# KiCad board manila_ice.kicad_pcb (continued)
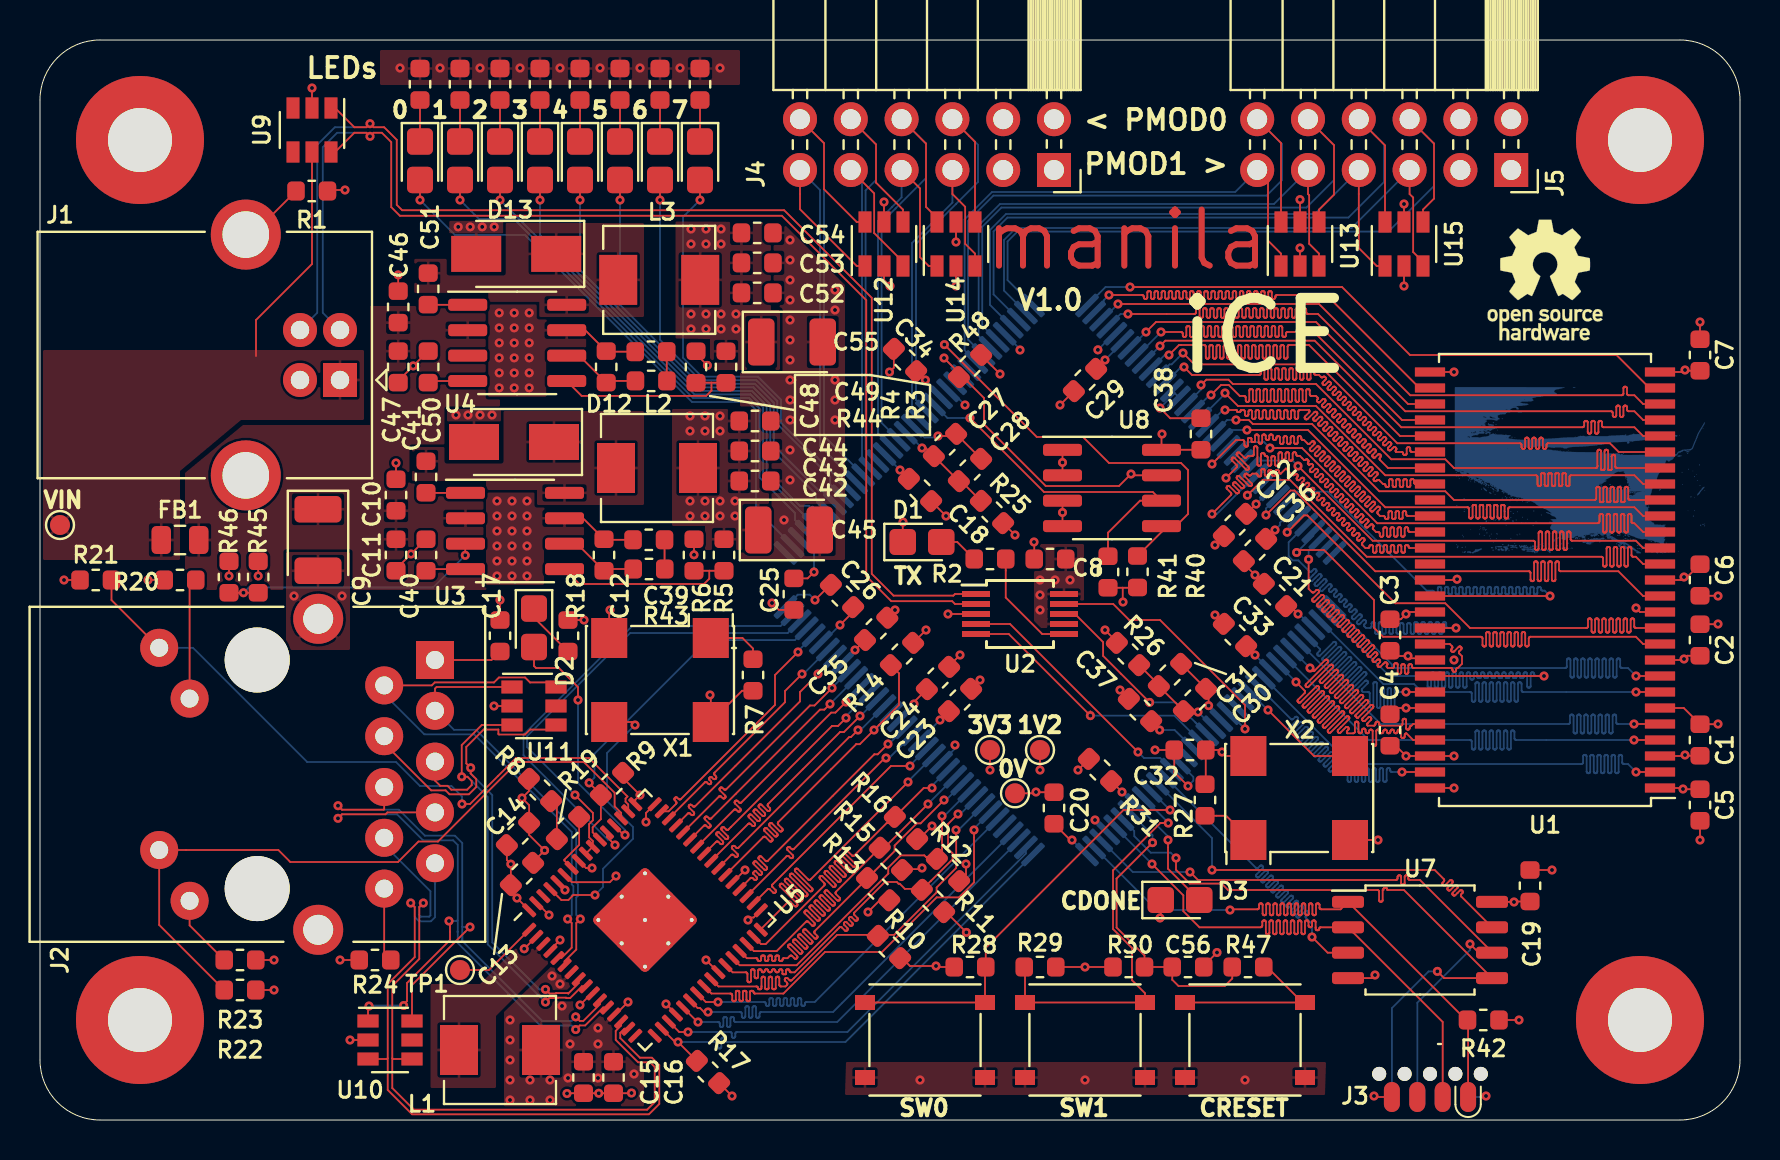
[diagram p0: board, top side]
## Routing (per net, layer and track width the routed paths; a pad name or vN(x,y) marks a point on that pad's centre or on a via; arc(x,y) is an arc through that point) (continued)
/SDRAM/DATA10: length 31
  Top w0.089: U1.45 70.49,23.8 70.59,23.69 70.61,23.68 70.62,23.66 70.62,23.64 70.62,23.62 70.62,23.6 70.61,23.58 70.59,23.57 70.58,23.56 70.57,23.54 70.56,23.52 70.56,23.5 70.56,23.48 70.56,23.46 70.57,23.45 70.58,23.43 70.6,23.42 70.62,23.41 70.64,23.41 70.66,23.41 70.67,23.41 70.69,23.42 70.71,23.43 70.93,23.65 70.94,23.66 70.96,23.67 70.98,23.68 71,23.68 71.02,23.67 71.04,23.66 71.05,23.65 71.07,23.64 71.08,23.62 71.08,23.6 71.08,23.58 71.08,23.56 71.07,23.54 71.05,23.53 70.97,23.44 70.96,23.43 70.95,23.41 70.95,23.39 70.95,23.37 70.95,23.35 70.96,23.33 70.97,23.32 71.1,23.19 71.1,22.81 70.89,22.6 70.87,22.6 70.85,22.59 70.84,22.58 70.82,22.57 70.81,22.55 70.8,22.53 70.8,22.51 70.8,22.5 70.8,22.48 70.79,22.46 70.78,22.44 70.77,22.43 70.75,22.42 70.73,22.41 70.71,22.41 70.69,22.41 70.67,22.42 70.66,22.43 70.64,22.44 70.63,22.46 70.63,22.48 70.62,22.5 70.62,22.51 70.62,22.53 70.62,22.55 70.61,22.57 70.59,22.58 70.57,22.59 70.56,22.6 70.54,22.6 68.69,22.6 68.67,22.6 68.65,22.61 68.63,22.62 68.62,22.64 68.61,22.65 68.6,22.67 68.6,22.69 68.6,22.71 68.59,22.73 68.59,22.75 68.58,22.76 68.56,22.78 68.55,22.79 68.53,22.79 68.51,22.8 68.49,22.79 68.47,22.79 68.45,22.78 68.44,22.76 68.43,22.75 68.42,22.73 68.42,22.71 68.42,22.4 68.42,22.38 68.41,22.36 68.4,22.34 68.39,22.33 68.37,22.32 68.35,22.31 68.33,22.31 68.31,22.31 68.29,22.32 68.27,22.33 68.26,22.34 68.25,22.36 68.24,22.38 68.24,22.4 68.24,22.71 68.24,22.73 68.23,22.75 68.22,22.76 68.21,22.78 68.19,22.79 68.17,22.79 68.15,22.8 68.13,22.79 68.11,22.79 68.1,22.78 68.08,22.76 68.07,22.75 68.07,22.73 68.06,22.71 68.06,22.4 68.06,22.38 68.05,22.36 68.04,22.34 68.03,22.33 68.01,22.32 67.99,22.31 67.97,22.31 67.95,22.31 67.94,22.32 67.92,22.33 67.9,22.34 67.89,22.36 67.89,22.38 67.89,22.4 67.89,22.76 67.88,22.78 67.88,22.8 67.87,22.81 67.85,22.83 67.84,22.84 67.82,22.84 67.8,22.85 67.78,22.84 67.76,22.84 67.74,22.83 67.73,22.81 67.72,22.8 67.71,22.78 67.71,22.76 67.71,22.69 67.71,22.67 67.7,22.65 67.69,22.64 67.67,22.62 67.66,22.61 67.64,22.6 67.62,22.6 67.39,22.6 67.35,22.64 67.34,22.65 67.34,22.66 67.33,22.68 67.33,22.7 67.34,22.71 67.34,22.73 67.36,22.75 67.37,22.77 67.37,22.78 67.37,22.8 67.37,22.81 67.36,22.83 67.35,22.84 67.33,22.87 67.32,22.88 67.3,22.88 67.29,22.89 67.27,22.89 67.25,22.88 67.24,22.88 67.23,22.87 67.18,22.81 67.17,22.82 67.03,22.67 67.01,22.66 66.99,22.65 66.98,22.64 66.96,22.64 66.94,22.65 66.92,22.66 66.9,22.67 66.89,22.69 66.88,22.7 66.88,22.72 66.88,22.74 66.88,22.76 66.89,22.78 66.9,22.8 66.99,22.88 67,22.89 67.01,22.91 67.01,22.93 67.01,22.95 67.01,22.97 67,22.99 66.99,23 66.97,23.02 66.95,23.03 66.93,23.03 66.91,23.03 66.89,23.03 66.88,23.02 66.86,23 66.78,22.92 66.76,22.91 66.74,22.9 66.72,22.9 66.7,22.9 66.68,22.9 66.67,22.91 66.65,22.92 66.64,22.94 66.63,22.95 66.63,22.97 66.63,22.99 66.63,23.01 66.64,23.03 66.65,23.05 66.85,23.24 66.86,23.26 66.87,23.27 66.87,23.29 66.87,23.3 66.87,23.32 66.86,23.33 66.85,23.35 66.82,23.37 66.81,23.38 66.8,23.39 66.78,23.39 66.77,23.39 66.75,23.39 66.73,23.38 66.72,23.37 66.53,23.17 66.51,23.16 66.49,23.15 66.47,23.15 66.45,23.15 66.43,23.15 66.41,23.16 66.4,23.17 66.39,23.19 66.38,23.21 66.37,23.23 66.37,23.25 66.38,23.27 66.39,23.28 66.4,23.3 66.69,23.59 66.7,23.61 66.71,23.62 66.72,23.64 66.72,23.66 66.71,23.68 66.7,23.7 66.69,23.72 66.68,23.73 66.66,23.74 66.64,23.74 66.62,23.74 66.6,23.74 66.58,23.73 66.57,23.72 66.27,23.42 66.26,23.41 66.24,23.4 66.22,23.4 66.2,23.4 66.18,23.4 66.16,23.41 66.15,23.42 66.14,23.44 66.13,23.46 66.12,23.48 66.12,23.5 66.13,23.52 66.14,23.53 66.15,23.55 66.44,23.84 66.45,23.86 66.46,23.88 66.47,23.89 66.47,23.91 66.46,23.93 66.45,23.95 66.44,23.97 66.42,23.98 66.41,23.99 66.39,23.99 66.37,23.99 66.35,23.99 66.33,23.98 66.31,23.97 66.02,23.68 66.01,23.66 65.99,23.65 65.97,23.65 65.95,23.65 65.93,23.65 65.91,23.66 65.9,23.68 65.88,23.69 65.88,23.71 65.87,23.73 65.87,23.75 65.88,23.77 65.88,23.79 65.9,23.8 66.19,24.09 66.2,24.11 66.21,24.13 66.21,24.15 66.21,24.17 66.21,24.19 66.2,24.2 66.19,24.22 66.17,24.23 66.15,24.24 66.14,24.24 66.12,24.24 66.1,24.24 66.08,24.23 66.06,24.22 65.77,23.93 65.76,23.91 65.74,23.91 65.72,23.9 65.7,23.9 65.68,23.91 65.66,23.91 65.64,23.93 65.63,23.94 65.62,23.96 65.62,23.98 65.62,24 65.62,24.02 65.63,24.04 65.64,24.05 65.94,24.34 65.95,24.36 65.96,24.38 65.96,24.4 65.96,24.42 65.96,24.44 65.95,24.45 65.94,24.47 65.92,24.48 65.9,24.49 65.88,24.5 65.86,24.5 65.84,24.49 65.83,24.48 65.81,24.47 65.52,24.18 65.5,24.17 65.49,24.16 65.47,24.15 65.45,24.15 65.43,24.16 65.41,24.17 65.39,24.18 65.38,24.19 65.37,24.21 65.37,24.23 65.37,24.25 65.37,24.27 65.38,24.29 65.39,24.3 65.69,24.6 65.7,24.61 65.71,24.63 65.71,24.65 65.71,24.67 65.71,24.69 65.7,24.71 65.69,24.72 65.67,24.73 65.65,24.74 65.63,24.75 65.61,24.75 65.59,24.74 65.58,24.73 65.56,24.72 65.27,24.43 65.25,24.42 65.23,24.41 65.21,24.4 65.19,24.4 65.18,24.41 65.16,24.42 65.14,24.43 65.13,24.45 65.12,24.46 65.12,24.48 65.12,24.5 65.12,24.52 65.13,24.54 65.14,24.56 65.43,24.85 65.45,24.86 65.45,24.88 65.46,24.9 65.46,24.92 65.45,24.94 65.45,24.96 65.43,24.97 65.42,24.99 65.4,24.99 65.38,25 65.36,25 65.34,24.99 65.32,24.99 65.31,24.97 65.02,24.68 65,24.67 64.98,24.66 64.96,24.66 64.94,24.66 64.92,24.66 64.91,24.67 64.89,24.68 64.88,24.7 64.87,24.71 64.87,24.73 64.87,24.75 64.87,24.77 64.88,24.79 64.89,24.81 65.18,25.1 65.19,25.11 65.2,25.13 65.21,25.15 65.21,25.17 65.2,25.19 65.19,25.21 65.18,25.22 65.17,25.24 65.15,25.25 65.13,25.25 65.11,25.25 65.09,25.25 65.07,25.24 65.06,25.22 64.76,24.93 64.75,24.92 64.73,24.91 64.71,24.91 64.69,24.91 64.67,24.91 64.65,24.92 64.64,24.93 64.63,24.95 64.62,24.97 64.61,24.99 64.61,25.01 64.62,25.03 64.63,25.04 64.64,25.06 64.93,25.35 64.94,25.37 64.95,25.38 64.96,25.4 64.96,25.42 64.95,25.44 64.94,25.46 64.93,25.48 64.92,25.49 64.9,25.5 64.88,25.5 64.86,25.5 64.84,25.5 64.82,25.49 64.81,25.48 64.51,25.18 64.5,25.17 64.48,25.16 64.46,25.16 64.44,25.16 64.42,25.16 64.4,25.17 64.39,25.18 64.38,25.2 64.37,25.22 64.36,25.24 64.36,25.26 64.37,25.28 64.38,25.29 64.39,25.31 64.68,25.6 64.69,25.62 64.7,25.64 64.7,25.65 64.7,25.67 64.7,25.69 64.69,25.71 64.68,25.73 64.66,25.74 64.65,25.75 64.63,25.75 64.61,25.75 64.59,25.75 64.57,25.74 64.55,25.73 64.26,25.44 64.25,25.42 64.23,25.41 64.21,25.41 64.19,25.41 64.17,25.41 64.15,25.42 64.14,25.44 64.12,25.45 64.12,25.47 64.11,25.49 64.11,25.51 64.12,25.53 64.12,25.55 64.14,25.56 64.43,25.85 64.44,25.87 64.45,25.89 64.45,25.91 64.45,25.93 64.45,25.95 64.44,25.96 64.43,25.98 64.41,25.99 64.39,26 64.38,26 64.36,26 64.34,26 64.32,25.99 64.3,25.98 64.01,25.69 63.99,25.67 63.98,25.67 63.96,25.66 63.94,25.66 63.92,25.67 63.9,25.67 63.88,25.69 63.87,25.7 63.86,25.72 63.86,25.74 63.86,25.76 63.86,25.78 63.87,25.8 63.88,25.81 64.18,26.1 64.19,26.12 64.2,26.14 64.2,26.16 64.2,26.18 64.2,26.2 64.19,26.21 64.18,26.23 64.16,26.24 64.14,26.25 64.12,26.26 64.1,26.26 64.08,26.25 64.07,26.24 64.05,26.23 63.76,25.94 63.74,25.93 63.73,25.92 63.71,25.91 63.69,25.91 63.67,25.92 63.65,25.93 63.63,25.94 63.62,25.95 63.61,25.97 63.61,25.99 63.61,26.01 63.61,26.03 63.62,26.05 63.63,26.06 63.93,26.36 63.94,26.37 63.95,26.39 63.95,26.41 63.95,26.43 63.95,26.45 63.94,26.47 63.93,26.48 63.91,26.49 63.89,26.5 63.87,26.51 63.85,26.51 63.83,26.5 63.81,26.49 63.8,26.48 63.72,26.4 63.7,26.39 63.68,26.38 63.66,26.37 63.64,26.37 63.62,26.38 63.61,26.39 63.59,26.4 63.43,26.56 v1(63.43,28.03)
  Bottom w0.089: v1(63.43,28.03) 63.43,28.47 U6.34
/SDRAM/DATA11: length 31.2
  Top w0.089: U1.47 v1(75.2,22.2)
  Bottom w0.089: v1(75.2,22.2) 74.8,22.2 74.78,22.2 74.76,22.21 74.74,22.22 74.73,22.23 74.72,22.25 74.71,22.27 74.71,22.29 74.71,22.3 74.71,22.32 74.7,22.34 74.69,22.35 74.68,22.37 74.66,22.38 74.64,22.38 74.62,22.39 74.6,22.38 74.58,22.38 74.57,22.37 74.55,22.35 74.54,22.34 74.54,22.32 74.53,22.3 74.53,21.7 74.53,21.68 74.52,21.66 74.51,21.65 74.5,21.63 74.48,21.62 74.46,21.62 74.44,21.61 74.42,21.62 74.41,21.62 74.39,21.63 74.37,21.65 74.36,21.66 74.36,21.68 74.36,21.7 74.36,22.3 74.35,22.32 74.35,22.34 74.34,22.35 74.32,22.37 74.31,22.38 74.29,22.38 74.27,22.39 74.25,22.38 74.23,22.38 74.21,22.37 74.2,22.35 74.19,22.34 74.18,22.32 74.18,22.3 74.18,22.15 74.18,22.14 74.17,22.13 74.17,22.12 74.16,22.11 74.15,22.1 74.14,22.1 74.13,22.1 74.05,22.1 74.04,22.1 74.03,22.1 74.02,22.11 74.01,22.12 74,22.13 74,22.14 74,22.15 74,22.3 74,22.32 73.99,22.34 73.98,22.35 73.97,22.37 73.95,22.38 73.93,22.38 73.91,22.39 73.89,22.38 73.87,22.38 73.86,22.37 73.84,22.35 73.83,22.34 73.82,22.32 73.82,22.3 73.82,22.15 73.82,22.14 73.82,22.13 73.81,22.12 73.8,22.11 73.79,22.1 73.78,22.1 73.77,22.1 73.69,22.1 73.68,22.1 73.67,22.1 73.66,22.11 73.66,22.12 73.65,22.13 73.65,22.14 73.64,22.15 73.64,22.3 73.64,22.32 73.64,22.34 73.62,22.35 73.61,22.37 73.59,22.38 73.58,22.38 73.56,22.39 73.54,22.38 73.52,22.38 73.5,22.37 73.49,22.35 73.48,22.34 73.47,22.32 73.47,22.3 73.47,22.15 73.47,22.14 73.46,22.13 73.46,22.12 73.45,22.11 73.44,22.1 73.43,22.1 73.42,22.1 73.34,22.1 73.33,22.1 73.32,22.1 73.31,22.11 73.3,22.12 73.29,22.13 73.29,22.14 73.29,22.15 73.29,22.3 73.29,22.32 73.28,22.34 73.27,22.35 73.26,22.37 73.24,22.38 73.22,22.38 73.2,22.39 73.18,22.38 73.16,22.38 73.14,22.37 73.13,22.35 73.12,22.34 73.11,22.32 73.11,22.3 73.11,22.15 73.11,22.14 73.11,22.13 73.1,22.12 73.09,22.11 73.08,22.1 73.07,22.1 73.06,22.1 72.98,22.1 72.97,22.1 72.96,22.1 72.95,22.11 72.94,22.12 72.94,22.13 72.93,22.14 72.93,22.15 72.93,22.3 72.93,22.32 72.92,22.34 72.91,22.35 72.9,22.37 72.88,22.38 72.86,22.38 72.84,22.39 72.82,22.38 72.81,22.38 72.79,22.37 72.77,22.35 72.76,22.34 72.76,22.32 72.76,22.3 72.76,22.15 72.75,22.14 72.75,22.13 72.74,22.12 72.74,22.11 72.73,22.1 72.72,22.1 72.71,22.1 72.63,22.1 72.62,22.1 72.61,22.1 72.6,22.11 72.59,22.12 72.58,22.13 72.58,22.14 72.58,22.15 72.58,22.3 72.58,22.32 72.57,22.34 72.56,22.35 72.54,22.37 72.53,22.38 72.51,22.38 72.49,22.39 72.47,22.38 72.45,22.38 72.43,22.37 72.42,22.35 72.41,22.34 72.4,22.32 72.4,22.3 72.4,22.15 72.4,22.14 72.39,22.13 72.39,22.12 72.38,22.11 72.37,22.1 72.36,22.1 72.35,22.1 72.27,22.1 72.26,22.1 72.25,22.1 72.24,22.11 72.23,22.12 72.23,22.13 72.22,22.14 72.22,22.15 72.22,22.3 72.22,22.32 72.21,22.34 72.2,22.35 72.19,22.37 72.17,22.38 72.15,22.38 72.13,22.39 72.11,22.38 72.09,22.38 72.08,22.37 72.06,22.35 72.05,22.34 72.05,22.32 72.04,22.3 72.04,22.15 72.04,22.14 72.04,22.13 72.03,22.12 72.03,22.11 72.02,22.1 72.01,22.1 71.99,22.1 71.92,22.1 71.91,22.1 71.89,22.1 71.89,22.11 71.88,22.12 71.87,22.13 71.87,22.14 71.87,22.15 71.87,22.3 71.86,22.32 71.86,22.34 71.85,22.35 71.83,22.37 71.82,22.38 71.8,22.38 71.78,22.39 71.76,22.38 71.74,22.38 71.72,22.37 71.71,22.35 71.7,22.34 71.69,22.32 71.69,22.3 71.69,22.1 71.69,22.08 71.68,22.06 71.67,22.05 71.66,22.03 71.64,22.02 71.62,22.02 71.6,22.01 71.58,22.02 71.56,22.02 71.54,22.03 71.53,22.05 71.52,22.06 71.51,22.08 71.51,22.1 71.51,22.3 71.51,22.32 71.5,22.34 71.49,22.35 71.48,22.37 71.46,22.38 71.44,22.38 71.42,22.39 71.4,22.38 71.38,22.38 71.37,22.37 71.35,22.35 71.34,22.34 71.34,22.32 71.33,22.3 71.33,21.7 71.33,21.68 71.32,21.66 71.31,21.65 71.3,21.63 71.28,21.62 71.26,21.62 71.24,21.61 71.22,21.62 71.21,21.62 71.19,21.63 71.17,21.65 71.16,21.66 71.16,21.68 71.16,21.7 71.16,22.3 71.15,22.32 71.15,22.34 71.14,22.35 71.12,22.37 71.1,22.38 71.09,22.38 71.07,22.39 71.05,22.38 71.03,22.38 71.01,22.37 71,22.35 70.99,22.34 70.98,22.32 70.98,22.3 70.98,21.7 70.98,21.68 70.97,21.66 70.96,21.65 70.94,21.63 70.93,21.62 70.91,21.62 70.89,21.61 70.87,21.62 70.85,21.62 70.83,21.63 70.82,21.65 70.81,21.66 70.8,21.68 70.8,21.7 70.8,22.3 70.8,22.32 70.79,22.34 70.78,22.35 70.77,22.37 70.75,22.38 70.73,22.38 70.71,22.39 70.69,22.38 70.67,22.38 70.66,22.37 70.64,22.35 70.63,22.34 70.62,22.32 70.62,22.3 70.62,21.7 70.62,21.68 70.61,21.66 70.6,21.65 70.59,21.63 70.57,21.62 70.55,21.62 70.53,21.61 70.51,21.62 70.49,21.62 70.48,21.63 70.46,21.65 70.45,21.66 70.45,21.68 70.44,21.7 70.44,22.3 70.44,22.32 70.44,22.34 70.42,22.35 70.41,22.37 70.39,22.38 70.37,22.38 70.36,22.39 70.34,22.38 70.32,22.38 70.3,22.37 70.29,22.35 70.27,22.34 70.27,22.32 70.27,22.3 70.27,21.7 70.26,21.68 70.26,21.66 70.25,21.65 70.23,21.63 70.22,21.62 70.2,21.62 70.18,21.61 70.16,21.62 70.14,21.62 70.12,21.63 70.11,21.65 70.1,21.66 70.09,21.68 70.09,21.7 70.09,22.3 70.09,22.32 70.08,22.34 70.07,22.35 70.05,22.37 70.04,22.38 70.02,22.38 70,22.39 69.98,22.38 69.96,22.38 69.94,22.37 69.93,22.35 69.92,22.34 69.91,22.32 69.91,22.3 69.91,21.7 69.91,21.68 69.9,21.66 69.89,21.65 69.88,21.63 69.86,21.62 69.84,21.62 69.82,21.61 69.8,21.62 69.78,21.62 69.77,21.63 69.75,21.65 69.74,21.66 69.73,21.68 69.73,21.7 69.73,22.3 69.73,22.32 69.72,22.34 69.71,22.35 69.7,22.37 69.68,22.38 69.66,22.38 69.64,22.39 69.62,22.38 69.61,22.38 69.59,22.37 69.57,22.35 69.56,22.34 69.56,22.32 69.55,22.3 69.55,21.7 69.55,21.68 69.55,21.66 69.54,21.65 69.52,21.63 69.5,21.62 69.49,21.62 69.47,21.61 69.45,21.62 69.43,21.62 69.41,21.63 69.4,21.65 69.39,21.66 69.38,21.68 69.38,21.7 69.38,22.11 69.37,22.13 69.37,22.15 69.36,22.17 69.34,22.18 69.33,22.19 69.31,22.2 69.29,22.2 67.47,22.2 U6.38
/SDRAM/DATA12: length 31
  Top w0.089: U1.48 v1(68.3,21.4)
  Bottom w0.089: v1(68.3,21.4) 68,21.4 67.98,21.4 67.96,21.41 67.94,21.42 67.93,21.43 67.92,21.45 67.91,21.47 67.91,21.49 67.91,21.51 67.91,21.53 67.9,21.55 67.89,21.57 67.88,21.58 67.86,21.59 67.84,21.6 67.82,21.6 67.8,21.6 67.78,21.59 67.77,21.58 67.75,21.57 67.74,21.55 67.74,21.53 67.73,21.51 67.73,20.69 67.73,20.67 67.72,20.65 67.71,20.63 67.7,20.62 67.68,20.61 67.66,20.6 67.64,20.6 67.62,20.6 67.61,20.61 67.59,20.62 67.57,20.63 67.56,20.65 67.56,20.67 67.56,20.69 67.56,21.51 67.55,21.53 67.55,21.55 67.54,21.57 67.52,21.58 67.51,21.59 67.49,21.6 67.47,21.6 67.45,21.6 67.43,21.59 67.41,21.58 67.4,21.57 67.39,21.55 67.38,21.53 67.38,21.51 67.38,20.69 67.38,20.67 67.37,20.65 67.36,20.63 67.34,20.62 67.33,20.61 67.31,20.6 67.29,20.6 67.27,20.6 67.25,20.61 67.23,20.62 67.22,20.63 67.21,20.65 67.2,20.67 67.2,20.69 67.2,21.51 67.2,21.53 67.19,21.55 67.18,21.57 67.17,21.58 67.15,21.59 67.13,21.6 67.11,21.6 67.09,21.6 67.07,21.59 67.06,21.58 67.04,21.57 67.03,21.55 67.02,21.53 67.02,21.51 67.02,20.69 67.02,20.67 67.01,20.65 67,20.63 66.99,20.62 66.97,20.61 66.95,20.6 66.93,20.6 66.91,20.6 66.89,20.61 66.88,20.62 66.86,20.63 66.85,20.65 66.85,20.67 66.84,20.69 66.84,21.81 66.84,21.83 66.84,21.85 66.82,21.87 66.81,21.88 66.79,21.89 66.78,21.9 66.76,21.9 66.74,21.9 66.72,21.89 66.7,21.88 66.69,21.87 66.68,21.85 66.67,21.83 66.67,21.81 66.67,20.69 66.66,20.67 66.66,20.65 66.65,20.63 66.63,20.62 66.62,20.61 66.6,20.6 66.58,20.6 66.56,20.6 66.54,20.61 66.52,20.62 66.51,20.63 66.5,20.65 66.49,20.67 66.49,20.69 66.49,21.31 66.49,21.33 66.48,21.35 66.47,21.37 66.46,21.38 66.44,21.39 66.42,21.4 66.4,21.4 66.15,21.4 66.11,21.44 66.1,21.45 66.09,21.47 66.09,21.49 66.09,21.51 66.09,21.53 66.1,21.55 66.11,21.56 66.37,21.82 66.39,21.84 66.39,21.86 66.4,21.88 66.4,21.9 66.39,21.92 66.39,21.93 66.37,21.95 66.36,21.96 66.34,21.97 66.32,21.97 66.3,21.97 66.28,21.97 66.26,21.96 66.25,21.95 65.77,21.48 65.76,21.46 65.74,21.45 65.72,21.45 65.7,21.45 65.68,21.45 65.66,21.46 65.65,21.48 65.64,21.49 65.63,21.51 65.62,21.53 65.62,21.55 65.63,21.57 65.64,21.59 65.65,21.6 66.3,22.25 66.31,22.27 66.32,22.29 66.32,22.3 66.32,22.32 66.32,22.34 66.31,22.36 66.3,22.38 66.28,22.39 66.26,22.4 66.25,22.4 66.23,22.4 66.21,22.4 66.19,22.39 66.17,22.38 65.52,21.73 65.51,21.71 65.49,21.71 65.47,21.7 65.45,21.7 65.43,21.71 65.41,21.71 65.4,21.73 65.38,21.74 65.38,21.76 65.37,21.78 65.37,21.8 65.38,21.82 65.38,21.84 65.4,21.85 66.05,22.5 66.06,22.52 66.07,22.54 66.07,22.56 66.07,22.58 66.07,22.6 66.06,22.61 66.05,22.63 66.03,22.64 66.01,22.65 65.99,22.65 65.97,22.65 65.95,22.65 65.94,22.64 65.92,22.63 65.27,21.98 65.26,21.97 65.24,21.96 65.22,21.95 65.2,21.95 65.18,21.96 65.16,21.97 65.15,21.98 65.13,21.99 65.12,22.01 65.12,22.03 65.12,22.05 65.12,22.07 65.13,22.09 65.15,22.1 65.8,22.75 65.81,22.77 65.82,22.79 65.82,22.81 65.82,22.83 65.82,22.85 65.81,22.86 65.8,22.88 65.78,22.89 65.76,22.9 65.74,22.91 65.72,22.91 65.7,22.9 65.69,22.89 65.67,22.88 65.02,22.23 65,22.22 64.99,22.21 64.97,22.2 64.95,22.2 64.93,22.21 64.91,22.22 64.89,22.23 64.88,22.25 64.87,22.26 64.87,22.28 64.87,22.3 64.87,22.32 64.88,22.34 64.89,22.36 65.54,23.01 65.56,23.02 65.56,23.04 65.57,23.06 65.57,23.08 65.56,23.1 65.56,23.12 65.54,23.13 65.53,23.14 65.51,23.15 65.49,23.16 65.47,23.16 65.45,23.15 65.43,23.14 65.42,23.13 64.77,22.48 64.75,22.47 64.73,22.46 64.71,22.46 64.7,22.46 64.68,22.46 64.66,22.47 64.64,22.48 64.63,22.5 64.62,22.51 64.62,22.53 64.62,22.55 64.62,22.57 64.63,22.59 64.64,22.61 65.29,23.26 65.3,23.27 65.31,23.29 65.32,23.31 65.32,23.33 65.31,23.35 65.3,23.37 65.29,23.38 65.28,23.4 65.26,23.4 65.24,23.41 65.22,23.41 65.2,23.4 65.18,23.4 65.17,23.38 64.52,22.73 64.5,22.72 64.48,22.71 64.46,22.71 64.44,22.71 64.42,22.71 64.41,22.72 64.39,22.73 64.38,22.75 64.37,22.77 64.37,22.79 64.37,22.81 64.37,22.83 64.38,22.84 64.39,22.86 65.04,23.51 65.05,23.52 65.06,23.54 65.07,23.56 65.07,23.58 65.06,23.6 65.05,23.62 65.04,23.63 65.03,23.65 65.01,23.66 64.99,23.66 64.97,23.66 64.95,23.66 64.93,23.65 64.92,23.63 64.26,22.98 64.25,22.97 64.23,22.96 64.21,22.96 64.19,22.96 64.17,22.96 64.15,22.97 64.14,22.98 64.13,23 64.12,23.02 64.11,23.04 64.11,23.06 64.12,23.08 64.13,23.09 64.14,23.11 64.79,23.76 64.8,23.78 64.81,23.79 64.81,23.81 64.81,23.83 64.81,23.85 64.8,23.87 64.79,23.89 64.77,23.9 64.76,23.91 64.74,23.91 64.72,23.91 64.7,23.91 64.68,23.9 64.66,23.89 64.01,23.24 64,23.22 63.98,23.21 63.96,23.21 63.94,23.21 63.92,23.21 63.9,23.22 63.89,23.24 63.88,23.25 63.87,23.27 63.86,23.29 63.86,23.31 63.87,23.33 63.88,23.35 63.89,23.36 63.97,23.45 63.99,23.46 63.99,23.48 64,23.5 64,23.52 63.99,23.54 63.99,23.56 63.97,23.57 U6.41
/SDRAM/DATA13: length 30.8
  Top w0.089: U1.50 68.66,19.8 68.57,19.72 68.55,19.71 68.53,19.71 68.52,19.7 68.5,19.68 68.49,19.67 68.49,19.65 68.48,19.63 68.48,19.61 68.48,19.59 68.48,19.57 68.46,19.55 68.45,19.54 68.43,19.53 68.41,19.52 68.39,19.52 68.38,19.52 68.36,19.53 68.34,19.54 68.33,19.55 68.31,19.57 68.31,19.59 68.31,19.61 68.31,19.98 68.3,20 68.3,20.02 68.29,20.03 68.27,20.05 68.26,20.06 68.24,20.06 68.22,20.07 68.2,20.06 68.18,20.06 68.16,20.05 68.15,20.03 68.14,20.02 68.13,20 68.13,19.98 68.13,19.81 68.13,19.79 68.12,19.77 68.11,19.75 68.09,19.74 68.08,19.73 68.06,19.72 68.04,19.72 67.04,19.72 67.02,19.72 67,19.73 66.98,19.74 66.97,19.75 66.96,19.77 66.95,19.79 66.95,19.81 66.95,19.83 66.95,19.85 66.94,19.87 66.93,19.88 66.92,19.9 66.9,19.91 66.88,19.91 66.86,19.92 66.84,19.91 66.82,19.91 66.81,19.9 66.79,19.88 66.78,19.87 66.77,19.85 66.77,19.83 66.77,19.81 66.77,19.79 66.76,19.77 66.75,19.75 66.74,19.74 66.72,19.73 66.7,19.72 66.68,19.72 66.38,19.72 66.37,19.73 66.36,19.75 66.36,19.77 66.36,19.79 66.36,19.81 66.37,19.83 66.38,19.84 66.54,20 66.55,20.02 66.56,20.03 66.57,20.05 66.57,20.07 66.56,20.09 66.55,20.11 66.54,20.13 66.52,20.14 66.51,20.15 66.49,20.15 66.47,20.15 66.45,20.15 66.43,20.14 66.41,20.13 66.26,19.97 66.24,19.96 66.22,19.95 66.2,19.94 66.18,19.94 66.17,19.95 66.15,19.96 66.13,19.97 66.12,19.98 66.11,20 66.11,20.02 66.11,20.04 66.11,20.06 66.12,20.08 66.13,20.09 66.64,20.6 66.65,20.62 66.66,20.64 66.67,20.66 66.67,20.68 66.66,20.7 66.65,20.71 66.64,20.73 66.63,20.74 66.61,20.75 66.59,20.76 66.57,20.76 66.55,20.75 66.53,20.74 66.52,20.73 65.91,20.12 65.9,20.11 65.89,20.11 65.88,20.11 65.87,20.11 65.86,20.11 65.85,20.11 65.84,20.12 65.78,20.18 65.78,20.19 65.77,20.2 65.77,20.21 65.77,20.22 65.77,20.23 65.78,20.24 65.78,20.25 66.39,20.86 66.4,20.87 66.41,20.89 66.42,20.91 66.42,20.93 66.41,20.95 66.4,20.97 66.39,20.98 66.38,20.99 66.36,21 66.34,21.01 66.32,21.01 66.3,21 66.28,20.99 66.27,20.98 65.64,20.36 65.63,20.34 65.61,20.34 65.59,20.33 65.58,20.33 65.56,20.34 65.55,20.34 65.53,20.36 65.51,20.37 65.5,20.39 65.5,20.4 65.49,20.42 65.49,20.44 65.5,20.45 65.5,20.47 65.51,20.48 66.14,21.11 66.15,21.12 66.16,21.14 66.17,21.16 66.17,21.18 66.16,21.2 66.15,21.22 66.14,21.23 66.12,21.25 66.11,21.25 66.09,21.26 66.07,21.26 66.05,21.25 66.03,21.25 66.01,21.23 65.39,20.61 65.37,20.6 65.36,20.59 65.34,20.59 65.33,20.59 65.31,20.59 65.29,20.6 65.28,20.61 65.26,20.63 65.25,20.64 65.24,20.65 65.24,20.67 65.24,20.69 65.24,20.7 65.25,20.72 65.26,20.73 65.89,21.36 65.9,21.37 65.91,21.39 65.91,21.41 65.91,21.43 65.91,21.45 65.9,21.47 65.89,21.48 65.87,21.5 65.85,21.51 65.84,21.51 65.82,21.51 65.8,21.51 65.78,21.5 65.76,21.48 65.14,20.86 65.12,20.85 65.11,20.84 65.09,20.84 65.07,20.84 65.06,20.84 65.04,20.85 65.03,20.86 65.01,20.88 65,20.89 64.99,20.91 64.99,20.92 64.99,20.94 64.99,20.96 65,20.97 65.01,20.98 65.64,21.61 65.65,21.63 65.66,21.64 65.66,21.66 65.66,21.68 65.66,21.7 65.65,21.72 65.64,21.74 65.62,21.75 65.6,21.76 65.58,21.76 65.56,21.76 65.54,21.76 65.53,21.75 65.51,21.74 64.88,21.11 64.87,21.1 64.86,21.09 64.84,21.09 64.82,21.09 64.81,21.09 64.79,21.1 64.78,21.11 64.76,21.13 64.75,21.14 64.74,21.16 64.74,21.17 64.74,21.19 64.74,21.21 64.75,21.22 64.76,21.24 65.39,21.86 65.4,21.88 65.41,21.9 65.41,21.91 65.41,21.93 65.41,21.95 65.4,21.97 65.39,21.99 65.37,22 65.35,22.01 65.33,22.01 65.31,22.01 65.29,22.01 65.28,22 65.26,21.99 64.63,21.36 64.62,21.35 64.6,21.34 64.59,21.34 64.57,21.34 64.56,21.34 64.54,21.35 64.53,21.36 64.51,21.38 64.5,21.39 64.49,21.41 64.49,21.43 64.49,21.44 64.49,21.46 64.5,21.47 64.51,21.49 65.13,22.11 65.15,22.13 65.15,22.15 65.16,22.17 65.16,22.19 65.15,22.21 65.15,22.22 65.13,22.24 65.12,22.25 65.1,22.26 65.08,22.26 65.06,22.26 65.04,22.26 65.02,22.25 65.01,22.24 64.38,21.61 64.37,21.6 64.35,21.59 64.34,21.59 64.32,21.59 64.3,21.59 64.29,21.6 64.28,21.61 64.26,21.63 64.25,21.65 64.24,21.66 64.23,21.68 64.23,21.69 64.24,21.71 64.25,21.72 64.26,21.74 64.88,22.36 64.89,22.38 64.9,22.4 64.91,22.42 64.91,22.44 64.9,22.46 64.89,22.47 64.88,22.49 64.87,22.5 64.85,22.51 64.83,22.52 64.81,22.52 64.79,22.51 64.77,22.5 64.76,22.49 64.13,21.86 64.12,21.85 64.1,21.85 64.09,21.84 64.07,21.84 64.05,21.85 64.04,21.85 64.02,21.86 64,21.88 63.99,21.9 63.99,21.91 63.98,21.93 63.98,21.94 63.99,21.96 63.99,21.98 64,21.99 64.63,22.62 64.64,22.63 64.65,22.65 64.66,22.67 64.66,22.69 64.65,22.71 64.64,22.73 64.63,22.74 64.62,22.75 64.6,22.76 64.58,22.77 64.56,22.77 64.54,22.76 64.52,22.75 64.51,22.74 63.43,21.67 63.41,21.65 63.4,21.64 63.38,21.64 63.36,21.64 63.34,21.64 63.32,21.65 63.3,21.67 63.29,21.68 63.28,21.7 63.28,21.72 63.28,21.74 63.28,21.76 63.29,21.78 63.3,21.79 64.38,22.87 64.39,22.88 64.4,22.9 64.41,22.92 64.41,22.94 64.4,22.96 64.39,22.98 64.38,22.99 64.36,23.01 64.35,23.01 64.33,23.02 64.31,23.02 64.29,23.01 64.27,23.01 64.25,22.99 63.74,22.48 63.73,22.47 63.71,22.46 63.69,22.46 63.67,22.46 63.65,22.46 63.63,22.47 63.62,22.48 v1(63.5,22.6)